# Altium PCB LAY-94611_B.PcbDoc (part 3 of 16) (continued)
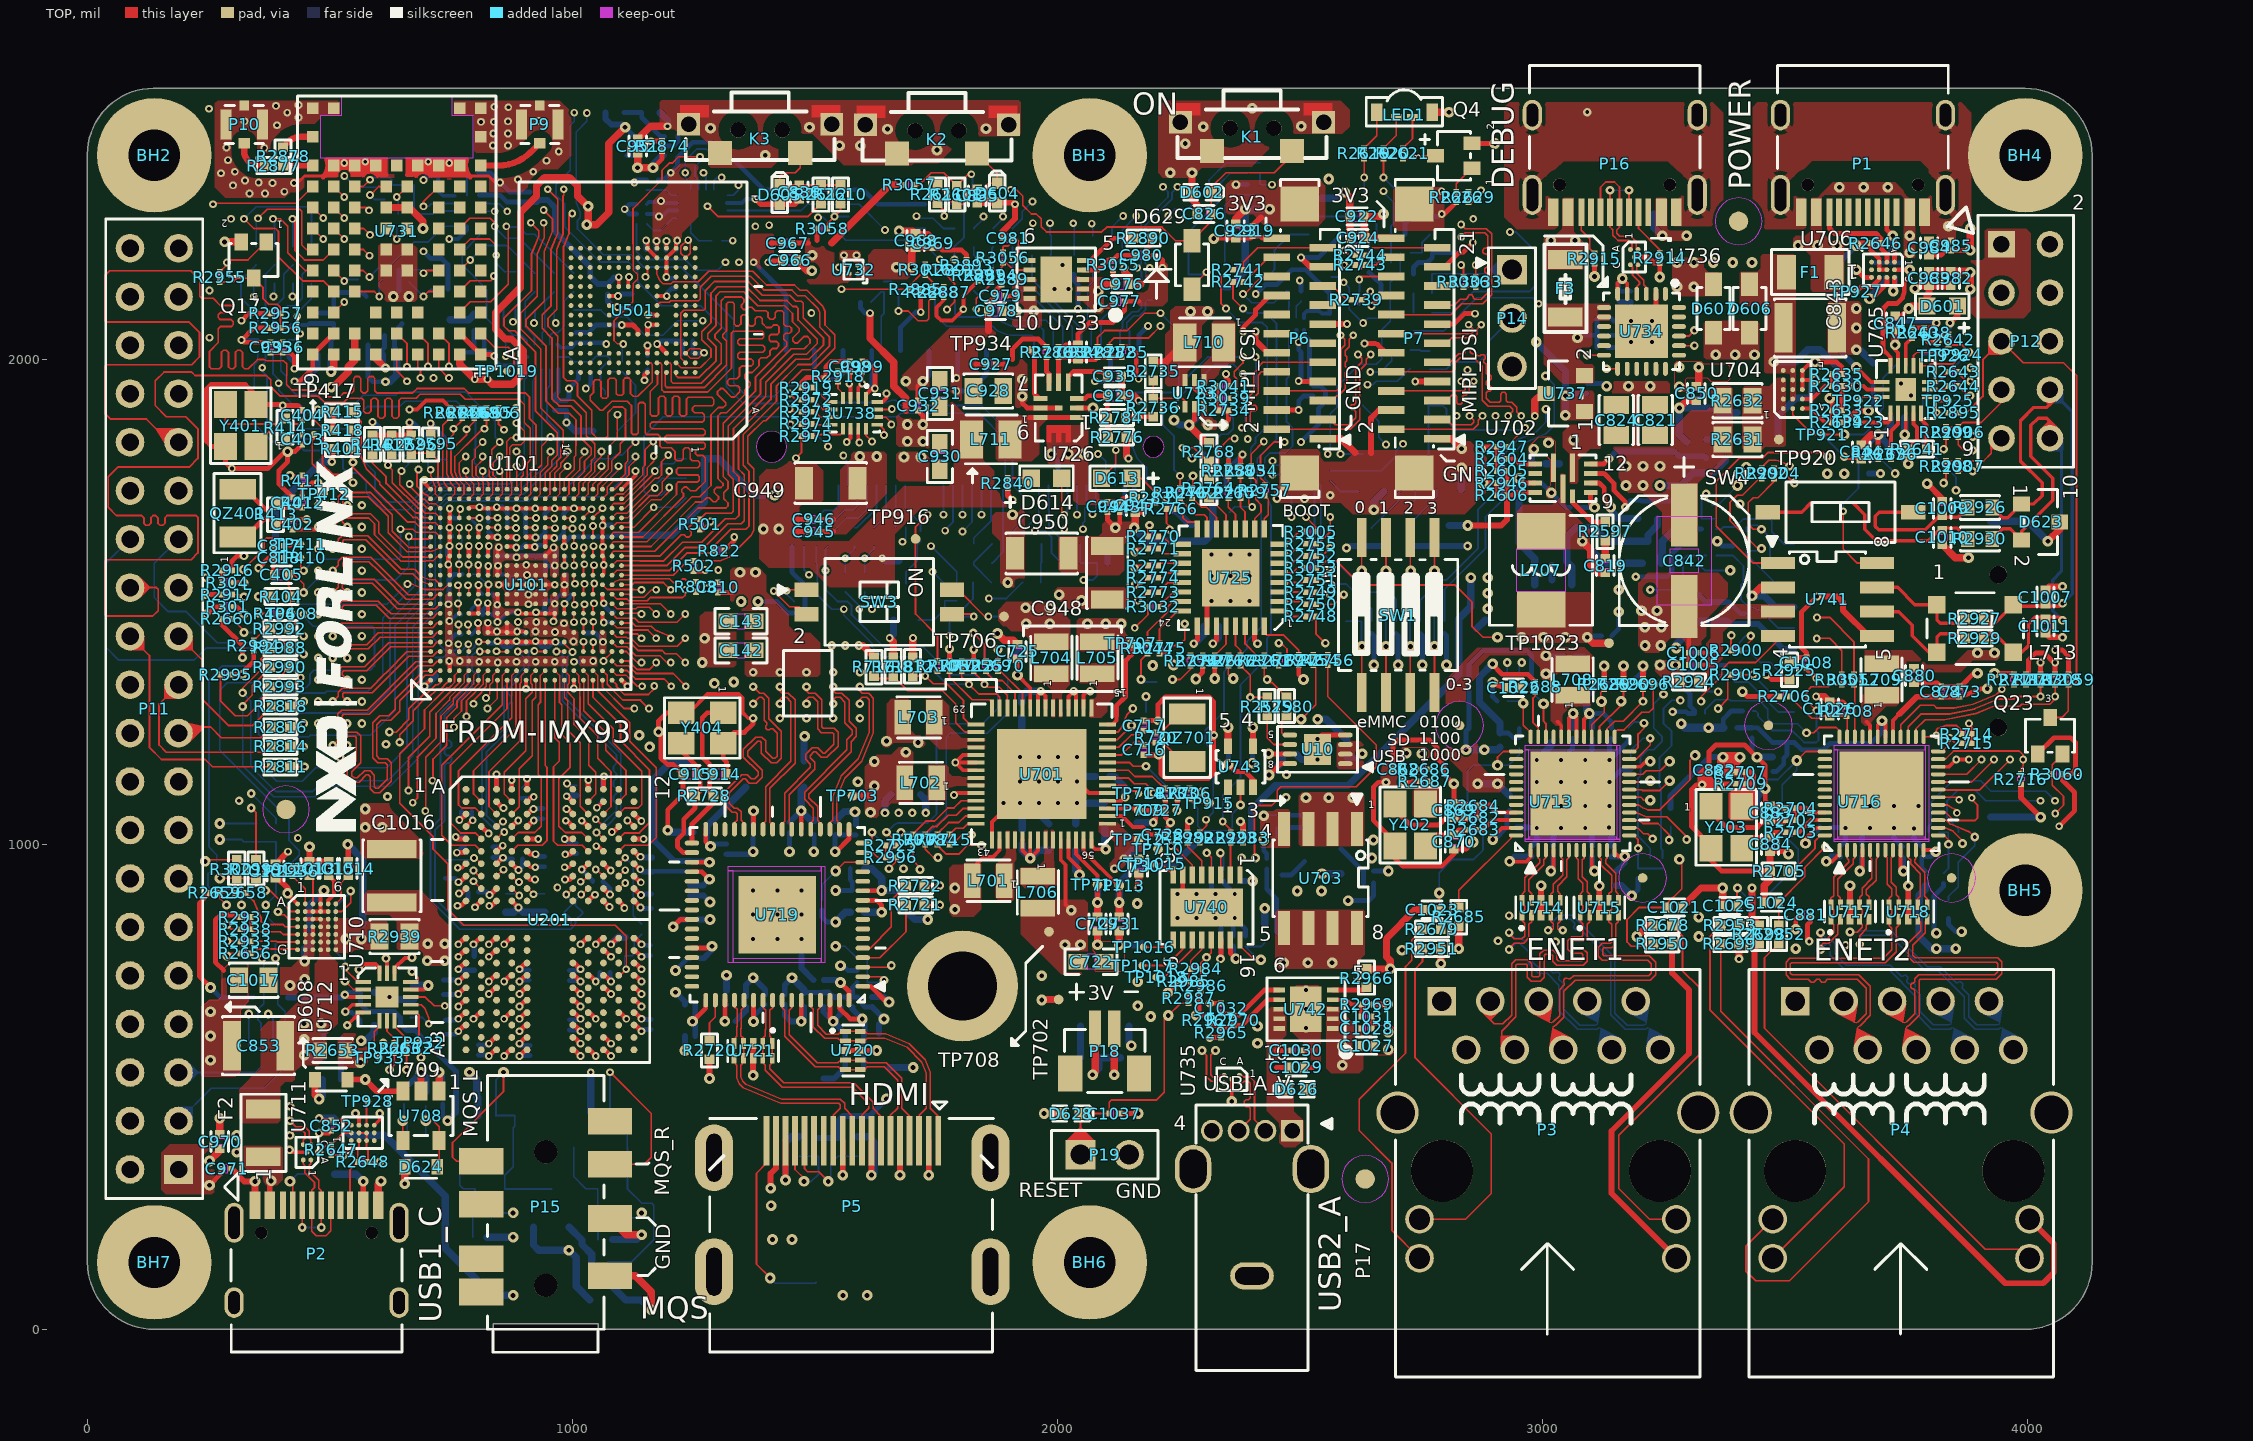
[diagram p0: TOP view]
## Part data (continued)
C948 C949 C950: library part CAP_NP, "1206,100uF,6.3V,+/-20%,X5R", Package Size=1210, Tolerance=20%, Voltage=16V, CAD_APPROVED=Yes, CLASS=DISCRETE, FPLIST=CC1210,1210_CC, Height=2.8MM, MFG_NAME01=SAMSUNG, MFG_PN01=CL31A107MQHNNNE, PCB Footprint=C1206, RoHS=Yes
  C948: Part Reference=C948
  C949: Part Reference=C949
  C950: ASSY_OPT=DNP, Part Reference=C950
C956 C962: library part "CAP NP", "0201,1uF,10V,+/-20%,X5R", Dielectric=X5R, Manufacturer=FH(·ç»ª), Manufacturer PN=0402X104K6R3NT, Tolerance=¡À10%, Voltage=6.3V, Created by=JJJ, MFG_NAME01=SAMSUNG, MFG_PN01=CL03A105MP3NSNC, Part Type=Ò»°ãÓÃÆ¬×´ÌÕ´ÉµçÈÝ, PCB Footprint=C0201, Priority=A, RK PN=902004347
  C956: Part Reference=C956
  C962: Part Reference=C962
C966 C968 C970 C972 C976 C978 C982 C984 C1027 C1029: library part CAP_NP, "0402,10uF,6.3V,+/-20%,X5R", Package Size=0603, Package Type=SMD, Temp_Range="-55¡ãC ~ 85¡ãC", Tolerance=20%, Voltage=6.3V, CAD_APPROVED=Yes, CLASS=DISCRETE, FPLIST=CC0603_OV,CC0603,0603_CC_NSP, Height=1MM, LEAD_FREE=YES, MFG_NAME01=FENGHUA, MFG_PN01=0402X106M6R3NT, PCB Footprint=C0402, RoHS=Yes
  C966: Part Reference=C966
  C968: Part Reference=C968
  C970: Part Reference=C970
  C972: Part Reference=C972
  C976: Part Reference=C976
  C978: Part Reference=C978
  C982: Part Reference=C982
  C984: Part Reference=C984
  C1027: Part Reference=C1027
  C1029: Part Reference=C1029
C969 C1031 C1032: library part CAP_NP, "0201,100nF,25V,+/-10%,X5R", Rated Voltage=50V, Temp Range="-55C to +125C", Tolerance=10%, Voltage=35V, CAD_APPROVED=Yes, CLASS=DISCRETE, EN=102-1-02300, FPLIST=CC0402_25,CC0402_HD,0402_CC,capc0402_l, Height="0.6 MM", MFG_NAME01=FENGHUA, MFG_PN01=0201X104K250NT, PCB Footprint=C0201, RoHS=Yes, TOL=10%
  C969: Part Reference=C969
  C1031: Part Reference=C1031
  C1032: Part Reference=C1032
C979 C980 C981 C1030: library part CAP_NP, "0201,100nF,25V,+/-10%,X5R", Rated Voltage=50V, Temp Range="-55C to +125C", Tolerance=10%, Voltage=25V, CAD_APPROVED=Yes, CLASS=DISCRETE, EN=102-1-02300, FPLIST=CC0402_25,CC0402_HD,0402_CC,capc0402_l, Height="0.6 MM", MFG_NAME01=FENGHUA, MFG_PN01=0201X104K250NT, PCB Footprint=C0201, RoHS=Yes, TOL=10%
  C979: Part Reference=C979
  C980: Part Reference=C980
  C981: Part Reference=C981
  C1030: Part Reference=C1030
C983: library part CAP_NP, "0402,100nF,50V,+/-10%,X5R", Tolerance=10%, Voltage=25V, CAD_APPROVED=Yes, CLASS=DISCRETE, FPLIST=CC0402_25,CC0402_HD,0402_CC,capc0402_l, Height=0.55MM, MFG_NAME01=FENGHUA, MFG_PN01=0402X104K500NT, Part Reference=C983, PCB Footprint=C0402, RoHS=Yes
C988 C991: library part CAP_NP, "0805,22uF,25V,+/-20%,X5R", Tolerance=20%, ASSY_OPT=DNP, CAD_APPROVED=Yes, CLASS=DISCRETE, FPLIST=CC0805_OV,CC0805,0805_CC, Height=1.45MM, MFG_NAME01=MURATA, MFG_PN01=GRM21BR61E226ME44L, PCB Footprint=C0805, RoHS=Yes
  C988: Part Reference=C988
  C991: Part Reference=C991
C989 C992: library part CAP_NP, "1206,100uF,6.3V,+/-20%,X5R", Tolerance=20%, Voltage=10V, CAD_APPROVED=Yes, CLASS=DISCRETE, FPLIST=CC1206_OV,CC1206,1206_CC, Height=1.9MM, MFG_NAME01=SAMSUNG, MFG_PN01=CL31A107MQHNNNE, PCB Footprint=C1206, RoHS=Yes
  C989: Part Reference=C989
  C992: Part Reference=C992
C990 C993: library part CAP_NP, "0402,33nF,50V,+/-10%,X7R", Package Size=0402, Package Type=SMD, Tolerance=10%, Voltage=50V, CAD_APPROVED=Yes, CLASS=DISCRETE, FPLIST=CC0402_25,CC0402_HD,0402_CC,capc0402_l, Height=0.55MM, MFG_NAME01=FENGHUA, MFG_PN01=0402B333K500NT, PCB Footprint=C0402, RoHS=Yes
  C990: Part Reference=C990
  C993: Part Reference=C993
C994: library part C0603,4.7uF, "0402,4.7uF,10V,+/-10%,X5R", Voltage=10V, MFG_NAME01=SAMSUNG, MFG_PN01=CL05A475KP5NRNC, Part Reference=C994, PCB Footprint=C0402, serial number=1110203056
C995 C996 C998 C999 C1034 C1035 C1036 C1037: library part C0402,100nF,16V, "0201,100nF,25V,+/-10%,X5R", Voltage=25V, MFG_NAME01=FENGHUA, MFG_PN01=0201X104K250NT, PCB Footprint=C0201, serial number=1110202001
  C995: Part Reference=C995
  C996: Part Reference=C996
  C998: Part Reference=C998
  C999: Part Reference=C999
  C1034: Part Reference=C1034
  C1035: Part Reference=C1035
  C1036: Part Reference=C1036
  C1037: Part Reference=C1037
C997: library part C0402,1uF,16V, "0201,1uF,10V,+/-20%,X5R", Voltage=10V, MFG_NAME01=SAMSUNG, MFG_PN01=CL03A105MP3NSNC, Part Reference=C997, PCB Footprint=C0201, serial number=1110202021
C1000: library part CAP_NP, "0201,2.2uf,6.3V,+/-20%,X5R", Package Size=0402, Tolerance=10%, Voltage=6.3V, CAD_APPROVED=Yes, CLASS=DISCRETE, FPLIST=CC0402_25,CC0402_HD,0402_CC,capc0402_l, Height="0.55 MM", MFG_NAME01=SAMSUNG, MFG_PN01=CL03A225MQ3CRNC, Part Reference=C1000, PCB Footprint=C0201, RoHS=Yes
C1001: library part CAP_NP, "0201,1uF,10V,+/-20%,X5R", Package Size="0603 (1608 Metric)", Package Type="Surface Mount, MLCC", Rated Voltage=25V, Temp Range="-55C to +125C", Tolerance=10%, CAD_APPROVED=Yes, CLASS=DISCRETE, FPLIST=CC0603_OV,CC0603,0603_CC, Height=0.9MM, MFG_NAME01=SAMSUNG, MFG_PN01=CL03A105MP3NSNC, Part Reference=C1001, PCB Footprint=C0201, RoHS=Yes
C1007 C1011: library part CAP_NP, "0402,56pF,50V,+/-5%,COG", Tolerance=5%, Voltage=50V, CAD_APPROVED=Yes, CLASS=DISCRETE, FPLIST=CC0402_25,CC0402_HD,0402_CC, Height="0.55 MM", MFG_NAME01=FENGHUA, MFG_PN01=0402CG560J500NT, PCB Footprint=C0402, RoHS=Yes
  C1007: Part Reference=C1007
  C1011: Part Reference=C1011
C1009 C1010: library part CAP_NP, "0402,56pF,50V,+/-5%,COG", Package Size=0402, Temp Range="-55C to +125C", Tolerance=5%, Voltage=50V, CAD_APPROVED=Yes, CLASS=DISCRETE, FPLIST=CC0402_25,CC0402_HD,0402_CC,capc0402_l, Height="0.55 MM", MFG_NAME01=FENGHUA, MFG_PN01=0402CG560J500NT, PCB Footprint=C0402, RoHS=Yes
  C1009: Part Reference=C1009
  C1010: Part Reference=C1010
C1013: library part CAP_NP, "0402,1nF,50V,+/-10%,X7R", Tolerance=10%, Voltage=50V, CAD_APPROVED=Yes, CLASS=DISCRETE, FPLIST=CC0402_25,CC0402_HD,0402_CC,capc0402_l, Height=0.55MM, MFG_NAME01=FENGHUA, MFG_PN01=0402B102K500NT, Part Reference=C1013, PCB Footprint=C0402, RoHS=Yes
C1014: library part CAP_NP, "0402,10nF,50V,+/-10%,X7R", Tolerance=10%, Voltage=50V, CAD_APPROVED=Yes, CLASS=DISCRETE, FPLIST=CC0402_25,CC0402_HD,0402_CC,capc0402_l, Height=0.55MM, MFG_NAME01=FENGHUA, MFG_PN01=0402CG103J500NT, Part Reference=C1014, PCB Footprint=C0402, RoHS=Yes
C1015: library part CAP_NP, "0402,4.7uF,10V,+/-10%,X5R", Tolerance=10%, Voltage=16V, CAD_APPROVED=Yes, CLASS=DISCRETE, FPLIST=CC0402_25,CC0402_HD,0402_CC,capc0402_l, Height=0.55MM, MFG_NAME01=SAMSUNG, MFG_PN01=CL05A475KP5NRNC, Part Reference=C1015, PCB Footprint=C0402, RoHS=Yes
C1016: library part CAP_NP, "1210,10uF,50V,+/-10%,X7R", Tolerance=10%, Voltage=50V, CAD_APPROVED=Yes, CLASS=DISCRETE, FPLIST=CC1210,1210_CC, Height=2.7MM, MFG_NAME01=SAMSUNG, MFG_PN01=CL32B106KBJNNNE, Part Reference=C1016, PCB Footprint=C1210, RoHS=Yes
C1017: library part CAP_NP, "0805,47uF,10V,+/-20%,X5R", Tolerance=10%, Voltage=10V, CAD_APPROVED=Yes, CLASS=DISCRETE, FPLIST=CC1210,1210_CC, Height=2.7MM, MFG_NAME01=MURATA, MFG_PN01=GRM21BR61A476ME15L, Part Reference=C1017, PCB Footprint=C0805, RoHS=Yes
C1021 C1023 C1024 C1025: library part CAP_NP, "0402,470pF,50V,+/-5%,NPO", Tolerance=20%, Voltage=50V, CAD_APPROVED=Yes, CLASS=DISCRETE, FPLIST=CC0402_25,CC0402_HD,0402_CC, Height="0.65 MM", MFG_NAME01=FENGHUA, MFG_PN01=0402CG471J500NT, PCB Footprint=C0402, RoHS=Yes
  C1021: Part Reference=C1021
  C1023: Part Reference=C1023
  C1024: Part Reference=C1024
  C1025: Part Reference=C1025
C1022 C1026: library part CAP_NP, "0402,18pF,50V,+/-5%,NPO", Tolerance=20%, Voltage=6.3V, CAD_APPROVED=Yes, CLASS=DISCRETE, FPLIST=CC0402_25,CC0402_HD,0402_CC, Height="0.65 MM", MFG_NAME01=FENGHUA, MFG_PN01=0402B103K500NT, PCB Footprint=C0402, RoHS=Yes
  C1022: Part Reference=C1022
  C1026: Part Reference=C1026
C1033: library part CAP_NP, "0805,47uF,10V,+/-20%,X5R", Package Size="0603 (1608 Metric)", Package Type="Surface Mount, MLCC", Rated Voltage=10V, Temp Range="-55C to +125C", Tolerance=10%, CAD_APPROVED=Yes, CLASS=DISCRETE, FPLIST=CC0603_OV,CC0603,0603_CC, Height=0.9MM, MFG_NAME01=MURATA, MFG_PN01=GRM21BR61A476ME15L, Part Reference=C1033, PCB Footprint=C0805, RoHS=Yes
C1042: library part CAP_NP, "0201,10nF,25V,+/-10%,X7R", Tolerance=10%, Voltage=50V, CAD_APPROVED=Yes, CLASS=DISCRETE, FPLIST=CC0402_25,CC0402_HD,0402_CC, Height="0.74 MM", MFG_NAME01=FENGHUA, MFG_PN01=0201B103K250NT, Part Reference=C1042, PCB Footprint=C0201, RoHS=Yes
C1044 C1047: library part CAP_NP, "0201,100nF,25V,+/-10%,X5R", Tolerance=10%, Voltage=50V, CAD_APPROVED=Yes, CLASS=DISCRETE, FPLIST=CC0402_25,CC0402_HD,0402_CC, Height="0.74 MM", MFG_NAME01=FENGHUA, MFG_PN01=0201X104K250NT, PCB Footprint=C0201, RoHS=Yes
  C1044: Part Reference=C1044
  C1047: Part Reference=C1047
C1048 C1049: library part CAP_NP, "1206,1nF,2KV,+/-10%", Tolerance=20%, Voltage=2KV, CAD_APPROVED=Yes, CLASS=DISCRETE, FPLIST=CC0402_25,CC0402_HD,0402_CC, Height="0.65 MM", MFG_NAME01=FENGHUA, MFG_PN01=1206B102K202NT, PCB Footprint=C1206, RoHS=Yes
  C1048: Part Reference=C1048
  C1049: Part Reference=C1049
D601: library part LED, "LED RED SGL 25MA SMT 0603", Voltage=2V, CAD_APPROVED=Yes, CLASS=IC, Height="0.8 MM", MFG_NAME01=Harvatek, MFG_PN01=HQ19-2132SURC62(Y), Part Reference=D601, PCB Footprint=led0603, RoHS=Yes
D603 D608: library part ZDIODE, "BZX585-B3V3,3.3V,SOD523", Temp Range="-65¡ãC to +150¡ãC", CAD_APPROVED=Yes, CLASS=IC, Height=0.65MM, MFG_NAME01=JSCJ, MFG_PN01=BZX585-B3V3, PCB Footprint=sod523, RoHS=Yes, Temp_Range="-65¡ãC to +150¡ãC"
  D603: Part Reference=D603
  D608: Part Reference=D608
D606 D607 D627 D629: library part DIODE, "BAT54HT1G,SOD323", CAD_APPROVED=Yes, CLASS=IC, Height=1.15MM, MFG_NAME01=JSCJ, MFG_PN01=BAT54HT1G, PCB Footprint=SOD323
  D606: Part Reference=D606
  D607: Part Reference=D607
  D627: Part Reference=D627
  D629: Part Reference=D629
D610 D611 D612: "ESD5341N-2/TR", MFG_NAME01=WILLSEMI, MFG_PN01=ESD5341N-2/TR, PCB Footprint=0402TVS
  D610: Part Reference=D610
  D611: Part Reference=D611
  D612: Part Reference=D612
D613: library part LED, "LED GRN SGL 25MA SMT 0603", Voltage=2V, CAD_APPROVED=Yes, CLASS=IC, Height="0.8 MM", MFG_NAME01=Harvatek, MFG_PN01=HQ19-2132UBGC82(Y), Part Reference=D613, PCB Footprint=led0603, RoHS=Yes
D614: library part LED, "LED BLUE SGL 20MA SMT 0603", Rated Voltage=2V, Temp Range="-40¡ãC to +85¡ãC", Voltage=2v, CAD_APPROVED=Yes, CLASS=IC, Height=0.28MM, MFG_NAME01=Harvatek, MFG_PN01="HQ19-2132UBC83 (Y)", Part Reference=D614, PCB Footprint=led0603, RoHS=Yes, Temp_Range="-40¡ãC to +85¡ãC"
D618 D621: library part BAV99W, "BAT54S,SOT-23-3", Rated Voltage=100V, CLASS=IC, MFG_NAME01=FDM, MFG_PN01=BAT54S, PCB Footprint=sot23_a
  D618: Part Reference=D618
  D621: Part Reference=D621
D623: library part ESD_DIODE_2LINE, "PSM712-LF-T7,SOT-23-3", Package Size="TO-236-3, SC-59, SOT-23-3", Rated Power=-, Rated Voltage=24V, CLASS=IC, Height=1.1MM, MFG_NAME01=UMW, MFG_PN01=PSM712-LF-T7, Part Reference=D623, PCB Footprint=sot23_a
D624: library part DIODE_SCHTKY, "RB521S-30C,SOD-523", CAD_APPROVED=Yes, CLASS=IC, Height=0.7MM, MFG_NAME01=onsemi, MFG_PN01=RB521S-30C, Part Reference=D624, PCB Footprint=SOD523, RoHS=Yes
F1 F2: library part FUSE, "Fuse,1206,7A,32V", CAD_APPROVED=Yes, CLASS=DISCRETE, Height=0.8639MM, MFG_NAME01="JDT fuse", MFG_PN01=JFC1206-1700FS, PCB Footprint=fuse_3p4x1p8, RoHS=Yes
  F1: Part Reference=F1
  F2: Part Reference=F2
F3: "1206,0.5A/1A,13.2V", MFG_NAME01=BOURNS, MFG_PN01=MF-NSMF050, Part Reference=F3, PCB Footprint=F1206
F5: library part FUSE_0.5A, "0603,0.04A/0.12A,15V,ASMD0603-004", MFG_NAME01=SAMSUNG, MFG_PN01=CL05A225KP5NSNC, Part Reference=F5, PCB Footprint=F0603
FB16: library part FB0402,120ohm,1.3A, "0603,1000Ohm@100MHz,800mA", electric current=1.3A, MFG_NAME01=Sunlord, MFG_PN01=PZ1608D102-R80TF, Part Reference=FB16, PCB Footprint=FB0603, serial number=1110304038
FB17 FB18 FB19 FB20 FB21 FB22: library part FB0402,120ohm,1.3A, "0402,120Ohm@100MHz,2A", electric current=1.3A, MFG_NAME01=Murata, MFG_PN01=BLM15PX121SN1D, PCB Footprint=FB0402, serial number=1110304038
  FB17: Part Reference=FB17
  FB18: Part Reference=FB18
  FB19: Part Reference=FB19
  FB20: Part Reference=FB20
  FB21: Part Reference=FB21
  FB22: Part Reference=FB22
FB23 FB24 FB25 FB26 FB27 FB28 FB29 FB30 FB31: library part FB0402,120ohm,1.3A, "0603,120Ohm@100MHZ,3A", electric current=3.5A, MFG_NAME01=Sunlord, MFG_PN01=UPZ1608E121-3R0TF, PCB Footprint=FB0603, serial number=1110304038
  FB23: Part Reference=FB23
  FB24: Part Reference=FB24
  FB25: Part Reference=FB25
  FB26: Part Reference=FB26
  FB27: Part Reference=FB27
  FB28: Part Reference=FB28
  FB29: Part Reference=FB29
  FB30: Part Reference=FB30
  FB31: Part Reference=FB31
K1 K2 K3: library part 1188E_1K, "3x6mm,KEY", MFG_NAME01=HONGSHENGLONG, MFG_PN01=KEY-3x6mm, PCB Footprint=KEY_3_5X7
  K1: Part Reference=K1
  K2: Part Reference=K2
  K3: Part Reference=K3
L701 L702 L703 L704: library part INDUCTOR, "0.47uH+/-20%,2.0*1.6*1.2,3.4A/3.95A", Temp Range="-40¡ãC to +125¡ãC", Tolerance=20%, CAD_APPROVED=Yes, CLASS=DISCRETE, Height=1.2MM, MFG_NAME01=Sunlord, MFG_PN01=WPN201612HR47MT, PART_TYPE=INDUCTOR\POWER, PCB Footprint=IND_2016A, RoHS=Yes, Temp_Range="-40¡ãC to +125¡ãC", TOL=20%
  L701: Part Reference=L701
  L702: Part Reference=L702
  L703: Part Reference=L703
  L704: Part Reference=L704
L705 L706: library part INDUCTOR, "0.47uH+/-20%,2.0*1.6*1.2,3.4A/3.95A", Package Size="2x1.6x1.2 mm", Temp Range="-40¡ãC to 125¡ãC", Tolerance=20%, CAD_APPROVED=Yes, CLASS=DISCRETE, Height=1.2MM, MFG_NAME01=Sunlord, MFG_PN01=WPN201612HR47MT, PART_TYPE=INDUCTOR\POWER, PCB Footprint=IND_2016A, RoHS=Yes, Temp_Range="-40¡ãC to 125¡ãC"
  L705: Part Reference=L705
  L706: Part Reference=L706
L707: library part "INDUCTORS OF FERRITE", "1.5uH+/-20%,5.2*5.4*1.6,7.5A/8A", Manufacturer=Vishay, Tolerance=20%, Created by=JJJ, IRMS=10.5A, Isat=9.6A, MFG_NAME01=Sunlord, MFG_PN01=MWSA0518S-1R5MT, Option=>8A, Part Reference=L707, Part Type=IND, PCB Footprint=IND_0518, Priority=A
L708 L709: library part INDUCTOR-WPN201612HR47MT, "2.2uH,2*1.6*1mm,2.15A", electric current=1.45A/1.9A, MFG_NAME01=Sunlord, MFG_PN01=WPN201610H2R2MT, PCB Footprint=IND_2016A, serial number=1110301115
  L708: Part Reference=L708
  L709: Part Reference=L709
L710 L712: library part "INDUCTORS OF FERRITE", "1uH ,2.5*2.0*1.2mm, 3.6A", DC Resistor=0.065ohm, Manufacturer=TDK, Manufacturer PN=VLS252010HBX-1R0M, Resonace frequency=1MHz, Tolerance=20%, Created by=JJJ, IRMS=2.55A, Isat=3.6A, MFG_NAME01=Sunlord, MFG_PN01=WPN252012H1R0MT, Part Type=IND, PCB Footprint=ind_sph2520, Priority=A, RK PN=VLS252010HBX-1R0M
  L710: Part Reference=L710
  L712: Part Reference=L712
L711: library part INDUCTOR, "0.47uh, 2.5*2.0*1.0mm ,4.4A", Temp_Range="-40¡ãC to +125¡ãC", Tolerance=20%, CAD_APPROVED=Yes, CLASS=DISCRETE, Height=1.2MM, MFG_NAME01=Sunlord, MFG_PN01=WPN252012ER47MT, Part Reference=L711, PART_TYPE=INDUCTOR\POWER, PCB Footprint=ind_sph2520, RoHS=Yes, TOL=20%
L713: library part DLW43, "IND CHK 51uH@1MHZ 230mA -30%/+50% 1812", CLASS=DISCRETE, MFG_NAME01=MURATA, MFG_PN01=DLW43SH510XK2, Part Reference=L713, PCB Footprint=IND_DLW43
LED1: "SMD,1.5*3mm,Tri color LED, common anode, side mount, colorless transparent lens,12-23C/R6GHBHC-C30/2C", MFG_NAME01=EVERLIGHT, MFG_PN01=12-23C/R6GHBHC-C30/2C, Part Reference=LED1, PCB Footprint=smd_rgb_1_5x3
MG1: library part CMP-00053-1, "PCB Graphic Symbol - Do Not Dispose Of In Garbage (Environmental Symbol)"
P1 P2 P16: "USB616FC-C2014216,USB2.0,type-c", MFG_NAME01=ATOM, MFG_PN01=USB616FC-C2014216, PCB Footprint=TypeC_16P_S
  P1: Part Reference=P1
  P2: Part Reference=P2
  P16: Part Reference=P16
P3: library part FC-H021LNL_2, "HR851178A,RJ45,1000M", MFG_NAME01=Hanrun, MFG_PN01=HR851178A, Part Reference=P3, PCB Footprint=RJ45-Gigabit
P4: library part FC-H021LNL_0, "HR851178A,RJ45,1000M", MFG_NAME01=Hanrun, MFG_PN01=HR851178A, Part Reference=P4, PCB Footprint=RJ45-Gigabit
P5: "HDMI-A", Manufacturer=Íú¿Æ´ï, Manufacturer Part Number=HDMI_01A, Created by=JJJ, MFG_NAME01=ANUOCONN, MFG_PN01=HDMI-A, Part Reference=P5, Part Type="HDMI Jack", PCB Footprint=HDMIA19_HDMI_01A, Priority=A, RK PN=908,000,005
P6 P7: "22P,0.5mm,A", MFG_NAME01=SHENGWEI, MFG_PN01=22P-0.5mm-A, PCB Footprint=fpc_22p_0_5
  P6: Part Reference=P6
  P7: Part Reference=P7
P8: library part CON_67_FEMALE_RA_B, "AP-APC1037-1,M.2,0.5PITCH,5.5mm,Support height of 3.9mm,KEY-E", Package Size="22.0 x 7.3 x 6.85 mm", Package Type=SMD/SMT, 3D_Mechanical_Footprint_File=ftp://fcl.am.freescale.net/ALLEGRO/step/con67_0p5_type-e_22x7p3_ra_270h.STEP, CAD_APPROVED=Yes, CLASS=IO, Height=6.85MM, MFG_NAME01=LOTES, MFG_PN01=AP-APC1037-1, Part Reference=P8, PCB Footprint=con_75_0p5_22x9_ra1, RoHS=Yes
P9 P10: "IPEX transposon, 4th generation", ASSY_OPT=DNP, MFG_NAME01=IPES, MFG_PN01=IPEX-4, PCB Footprint=IPEX_4
  P9: Part Reference=P9
  P10: Part Reference=P10
P11: library part CONN_HDR_19, "Double row, 2 * 20P, 2.54mm, S, gold-plated, green", Temp Range="-55¡ãC ~ 125¡ãC", 3D_Mechanical_Footprint_File=ftp://fcl.am.freescale.net/ALLEGRO/step/hdr220_tsm_a_sm.step, CAD_APPROVED=Yes, CLASS=IO, Height=10.03MM, MFG_NAME01=Jiln, MFG_PN01=2*20P-2.54mm-S, Part Reference=P11, PCB Footprint=hdr220_tsm_a_sm, RoHS=Yes
P12: library part Header-5x2-2_0.54, "Double row,2*5P,2.54mm,S", MFG_NAME01=Jiln, MFG_PN01=2*5P-2.54mm-S, Part Reference=P12, PCB Footprint=Header5x2_25
P13: library part CONN_MICRO_SDCARD, "TFP09-2-12B", Package Type=SMT, CAD_APPROVED=Yes, CLASS=IO, Height="2.05 MM", MFG_NAME01=TIANMAI, MFG_PN01=TFP09-2-12B, Part Reference=P13, PCB Footprint=con9_sdcard_1p1mm, RoHS=Yes
P14: library part Header-5x1-2_0.54, "Single row,3P,2.54mm,S", MFG_NAME01=Jiln, MFG_PN01=3P-2.54mm-S, Part Reference=P14, PCB Footprint=Header_2_54_3p
P15: "PJ3930-8P,3.5mm,Level 4", MFG_NAME01=HONGSHENGLONG, MFG_PN01=PJ3930-8P, Part Reference=P15, PCB Footprint=PJ3930_8P
P17: "USB2.0,Type A, female seat, single-layer, vertical lying, short body, length 14mm", MFG_NAME01=anuoconn, MFG_PN01=USB2-A-14mm, Part Reference=P17, PCB Footprint=USB_A_V
P18: "A1001-02AB,Tin plating, busbar, 2P, 1mm spacing, vertical mounting", MFG_NAME01=HONGYI, MFG_PN01=A1001-02AB, Part Reference=P18, PCB Footprint=sh_2p
P19: "XH,2P,2.54mm,S", MFG_NAME01=LHE, MFG_PN01=XH-2P-2.54mm-S, Part Reference=P19, PCB Footprint=Header_2x1_254
Q1 Q2 Q3 Q4 Q5 Q6 Q7 Q8 Q9 Q15 Q16 Q17 Q18 Q22 Q23: library part NX3008NBKW_SOT323, CAD_APPROVED=Yes, CLASS=IC, Height=1.1MM, MFG_NAME01=LRC, MFG_PN01=L2SK3018WT1G, PCB Footprint=sc70_3, RoHS=Yes
  Q1: Part Reference=Q1
  Q2: Part Reference=Q2
  Q3: Part Reference=Q3
  Q4: Part Reference=Q4
  Q5: Part Reference=Q5
  Q6: Part Reference=Q6
  Q7: Part Reference=Q7
  Q8: Part Reference=Q8
  Q9: Part Reference=Q9
  Q15: Part Reference=Q15
  Q16: Part Reference=Q16
  Q17: Part Reference=Q17
  Q18: Part Reference=Q18
  Q22: Part Reference=Q22
  Q23: Part Reference=Q23
Q21: "CJ2101,SOT-323,PMOS", MFG_NAME01=JSCJ, MFG_PN01=CJ2101, Part Reference=Q21, PCB Footprint=sc70_3
QZ401 QZ701: library part XTAL, "Crystal,32.768KHZ,3.2*1.5mm,+/-20ppm,12.5PF,S999-311,-40~85+C", CAD_APPROVED=Yes, CLASS=IC, Height=0.9MM, MFG_NAME01="Dongxin Hengke", MFG_PN01=KK32768g33C, PCB Footprint=XTAL2-3P2X1P5-SM, RoHS=Yes
  QZ401: Part Reference=QZ401
  QZ701: Part Reference=QZ701
R111 R702 R704 R709: library part RES, "0603,0Ohm,+/-5%", Temp Range="¨C55 ¡ãC to +155 ¡ãC", CAD_APPROVED=Yes, CLASS=DISCRETE, FPLIST=RC0603_OV,RC0603,R603-X2,0603_CC,IND_0603HP_NSP,CC0603_OV_NSP, Height=0.6MM, MFG_NAME01=FENGHUA, MFG_PN01=RS-03000JT, PCB Footprint=R0603, RoHS=Yes
  R111: ASSY_OPT=DNP, Part Reference=R111
  R702: ASSY_OPT=DNP, Part Reference=R702
  R704: Part Reference=R704
  R709: Part Reference=R709
R145 R501 R502 R2622 R2628 R2636 R2638 R2642 R2659 R2660 R2661 R2680 R2681 R2700 R2701 R2745 R2746 R2747 R2758 R2783 R2859 R2862 R2873 R2887 R2891 R2897 R2928 R2932 R2954 R2957 R2958 R2967 R2969 R3031 R3055 R3057 R3058 R3059 R3060: library part RES, "0201,10K,+/-5%", Tolerance=5%, CAD_APPROVED=Yes, CLASS=DISCRETE, MFG_NAME01=FENGHUA, MFG_PN01=RC-01W103JT, PCB Footprint=R0201, RoHS=Yes
  R145: FPLIST=RC0402_25,RC0402_HD,0402_CC, Height="0.4 MM", Part Reference=R145
  R501: ASSY_OPT=DNP, FPLIST=RC0402_25,RC0402_HD,0402_CC, Height="0.4 MM", Part Reference=R501
  R502: ASSY_OPT=DNP, FPLIST=RC0402_25,RC0402_HD,0402_CC, Height="0.4 MM", Part Reference=R502
  R2622: FPLIST=RC0402_25,RC0402_HD,0402_CC, Height="0.4 MM", Part Reference=R2622
  R2628: ASSY_OPT=DNP, FPLIST=RC0402_25,RC0402_HD,0402_CC, Height="0.4 MM", Part Reference=R2628
  R2636: FPLIST=RC0402_25,RC0402_HD,0402_CC, Height="0.4 MM", Part Reference=R2636
  R2638: FPLIST=RC0402_25,RC0402_HD,0402_CC, Height="0.4 MM", Part Reference=R2638
  R2642: FPLIST=RC0402_25,RC0402_HD,0402_CC, Height="0.4 MM", Part Reference=R2642
  R2659: FPLIST=RC0402_25,RC0402_HD,0402_CC, Height="0.4 MM", Part Reference=R2659
  R2660: ASSY_OPT=DNP, FPLIST=RC0402_25,RC0402_HD,RC0402_X2,0402_CC,CAPC0402_L, Height=0.41mm, Part Reference=R2660, TOL=5%
  R2661: FPLIST=RC0402_25,RC0402_HD,0402_CC, Height="0.4 MM", Part Reference=R2661
  R2680: FPLIST=RC0402_25,RC0402_HD,RC0402_X2,0402_CC,CAPC0402_L, Height=0.41mm, Part Reference=R2680, TOL=5%
  R2681: FPLIST=RC0402_25,RC0402_HD,RC0402_X2,0402_CC,CAPC0402_L, Height=0.41mm, Part Reference=R2681, TOL=5%
  R2700: FPLIST=RC0402_25,RC0402_HD,RC0402_X2,0402_CC,CAPC0402_L, Height=0.41mm, Part Reference=R2700, TOL=5%
  R2701: FPLIST=RC0402_25,RC0402_HD,RC0402_X2,0402_CC,CAPC0402_L, Height=0.41mm, Part Reference=R2701, TOL=5%
  R2745: FPLIST=RC0402_25,RC0402_HD,0402_CC, Height="0.4 MM", Part Reference=R2745
  R2746: ASSY_OPT=DNP, FPLIST=RC0402_25,RC0402_HD,0402_CC, Height="0.4 MM", Part Reference=R2746
  R2747: ASSY_OPT=DNP, FPLIST=RC0402_25,RC0402_HD,0402_CC, Height="0.4 MM", Part Reference=R2747
  R2758: FPLIST=RC0402_25,RC0402_HD,0402_CC, Height="0.4 MM", Part Reference=R2758
  R2783: FPLIST=RC0402_25,RC0402_HD,0402_CC, Height="0.4 MM", Part Reference=R2783
  R2859: FPLIST=RC0402_25,RC0402_HD,0402_CC, Height="0.4 MM", Part Reference=R2859
  R2862: FPLIST=RC0402_25,RC0402_HD,0402_CC, Height="0.4 MM", Part Reference=R2862
  R2873: FPLIST=RC0402_25,RC0402_HD,0402_CC, Height="0.4 MM", Part Reference=R2873
  R2887: FPLIST=RC0402_25,RC0402_HD,0402_CC, Height="0.4 MM", Part Reference=R2887
  R2891: FPLIST=RC0402_25,RC0402_HD,0402_CC, Height="0.4 MM", Part Reference=R2891
  R2897: FPLIST=RC0402_25,RC0402_HD,0402_CC, Height="0.4 MM", Part Reference=R2897
  R2928: FPLIST=RC0402_25,RC0402_HD,0402_CC, Height="0.4 MM", Part Reference=R2928
  R2932: ASSY_OPT=DNP, FPLIST=RC0402_25,RC0402_HD,0402_CC, Height="0.4 MM", Part Reference=R2932
  R2954: FPLIST=RC0402_25,RC0402_HD,0402_CC, Height="0.4 MM", Part Reference=R2954
  R2957: FPLIST=RC0402_25,RC0402_HD,0402_CC, Height="0.4 MM", Part Reference=R2957
  R2958: FPLIST=RC0402_25,RC0402_HD,0402_CC, Height="0.4 MM", Part Reference=R2958
  R2967: FPLIST=RC0402_25,RC0402_HD,0402_CC, Height="0.4 MM", Part Reference=R2967
  R2969: FPLIST=RC0402_25,RC0402_HD,0402_CC, Height="0.4 MM", Part Reference=R2969
  R3031: FPLIST=RC0402_25,RC0402_HD,0402_CC, Height="0.4 MM", Part Reference=R3031
  R3055: FPLIST=RC0402_25,RC0402_HD,0402_CC, Height="0.4 MM", Part Reference=R3055
  R3057: FPLIST=RC0402_25,RC0402_HD,0402_CC, Height="0.4 MM", Part Reference=R3057
  R3058: FPLIST=RC0402_25,RC0402_HD,0402_CC, Height="0.4 MM", Part Reference=R3058
  R3059: FPLIST=RC0402_25,RC0402_HD,0402_CC, Height="0.4 MM", Part Reference=R3059
  R3060: FPLIST=RC0402_25,RC0402_HD,0402_CC, Height="0.4 MM", Part Reference=R3060
R201 R207 R208 R310 R311 R403 R2641 R2822 R2823: library part RES, "0402,10K,+/-1%", Tolerance=5%, CAD_APPROVED=Yes, CLASS=DISCRETE, FPLIST=RC0402_25,RC0402_HD,0402_CC, Height="0.4 MM", MFG_NAME01=FENGHUA, MFG_PN01=RC-02W1002FT, PCB Footprint=R0402, RoHS=Yes
  R201: Part Reference=R201
  R207: ASSY_OPT=DNP, Part Reference=R207
  R208: ASSY_OPT=DNP, Part Reference=R208
  R310: ASSY_OPT=DNP, Part Reference=R310
  R311: ASSY_OPT=DNP, Part Reference=R311
  R403: Part Reference=R403
  R2641: ASSY_OPT=DNP, Part Reference=R2641
  R2822: ASSY_OPT=DNP, Part Reference=R2822
  R2823: ASSY_OPT=DNP, Part Reference=R2823
R204: library part RES, "0402,120Ohm,+/-1%", Temp Range="-55¡ãC ~ 155¡ãC", Tolerance=1%, Voltage=1/10W, CAD_APPROVED=Yes, CLASS=DISCRETE, FPLIST=RC0402_25,RC0402_HD,0402_CC, Height=0.4MM, MFG_NAME01=FENGHUA, MFG_PN01=RC-02K1200FT, Part Reference=R204, PCB Footprint=R0402, RoHS=Yes
R205: library part RES, "0402,150Ohm,+/-5%", Tolerance=1%, ASSY_OPT=DNP, CAD_APPROVED=Yes, CLASS=DISCRETE, FPLIST=RC0402_25,RC0402_HD,0402_CC, Height=0.4MM, MFG_NAME01=FENGHUA, MFG_PN01=RC-02W151JT, Part Reference=R205, PCB Footprint=R0402, RoHS=Yes
R209 R2941: library part RES, "0201,240Ohm,+/-1%", Temp Range="-55¡ãC ~ 125¡ãC", Tolerance=1%, Voltage=25V, CAD_APPROVED=Yes, CLASS=DISCRETE, FPLIST=CC0201,CC0201_HD,0201_CC, Height=0.26MM, MFG_NAME01=FENGHUA, MFG_PN01=RC-01W2400FT, PCB Footprint=R0201, RoHS=Yes, Temp_Range="-55¡ãC ~ 125¡ãC"
  R209: Part Reference=R209
  R2941: Part Reference=R2941
R210 R716 R718 R723 R2579 R2580 R2664 R2666 R2667 R2668 R2670 R2671 R2672 R2673 R2788 R2789 R2790 R2791 R2792 R2793 R2794 R2795 R2796 R2797 R2798 R2799 R2800 R2801 R2802 R2803 R2804 R2805 R2806 R2807 R2808 R2809 R2810 R2811 R2812 R2813 R2814 R2815 R2816 R2817 R2818 R2819 R2820 R2821 R2824 R2825 R2826 R2827 R2828 R2829 R2830 R2832 R2833 R2834 R2835 R2836 R2837 R2838 R2839 R2841 R2851 R2853 R2854 R2855 R2860 R2866 R2867 R2870 R2871 R2924 R2925 R2988 R2990 R2992 R2993 R2998 R2999 R3000 R3001 R3017 R3018 R3028 R3037 R3038: library part RES, "0402,0Ohm,+/-1%", Tolerance=5%, Voltage=1/16W, CAD_APPROVED=Yes, CLASS=DISCRETE, FPLIST=RC0402_25,RC0402_HD,RC0402_X2,0402_CC, Height="0.45 MM", MFG_NAME01=FENGHUA, MFG_PN01=RC-02000FT, PCB Footprint=R0402, RoHS=Yes
  R210: Part Reference=R210
  R716: ASSY_OPT=DNP, Part Reference=R716
  R718: Part Reference=R718
  R723: Part Reference=R723
  R2579: Part Reference=R2579
  R2580: Part Reference=R2580
  R2664: ASSY_OPT=DNP, Part Reference=R2664
  R2666: ASSY_OPT=DNP, Part Reference=R2666
  R2667: ASSY_OPT=DNP, Part Reference=R2667
  R2668: Part Reference=R2668
  R2670: ASSY_OPT=DNP, Part Reference=R2670
  R2671: ASSY_OPT=DNP, Part Reference=R2671
  R2672: Part Reference=R2672
  R2673: ASSY_OPT=DNP, Part Reference=R2673
  R2788: ASSY_OPT=DNP, Part Reference=R2788
  R2789: ASSY_OPT=DNP, Part Reference=R2789
  R2790: ASSY_OPT=DNP, Part Reference=R2790
  R2791: ASSY_OPT=DNP, Part Reference=R2791
  R2792: ASSY_OPT=DNP, Part Reference=R2792
  R2793: ASSY_OPT=DNP, Part Reference=R2793
  R2794: ASSY_OPT=DNP, Part Reference=R2794
  R2795: ASSY_OPT=DNP, Part Reference=R2795
  R2796: Part Reference=R2796
  R2797: Part Reference=R2797
  R2798: Part Reference=R2798
  R2799: Part Reference=R2799
  R2800: Part Reference=R2800
  R2801: Part Reference=R2801
  R2802: Part Reference=R2802
  R2803: Part Reference=R2803
  R2804: Part Reference=R2804
  R2805: Part Reference=R2805
  R2806: ASSY_OPT=DNP, Part Reference=R2806
  R2807: ASSY_OPT=DNP, Part Reference=R2807
  R2808: Part Reference=R2808
  R2809: Part Reference=R2809
  R2810: Part Reference=R2810
  R2811: Part Reference=R2811
  R2812: Part Reference=R2812
  R2813: Part Reference=R2813
  R2814: Part Reference=R2814
  R2815: Part Reference=R2815
  R2816: Part Reference=R2816
  R2817: Part Reference=R2817
  R2818: Part Reference=R2818
  R2819: Part Reference=R2819
  R2820: Part Reference=R2820
  R2821: Part Reference=R2821
  R2824: ASSY_OPT=DNP, Part Reference=R2824
  R2825: ASSY_OPT=DNP, Part Reference=R2825
  R2826: ASSY_OPT=DNP, Part Reference=R2826
  R2827: ASSY_OPT=DNP, Part Reference=R2827
  R2828: ASSY_OPT=DNP, Part Reference=R2828
  R2829: ASSY_OPT=DNP, Part Reference=R2829
  R2830: Part Reference=R2830
  R2832: Part Reference=R2832
  R2833: ASSY_OPT=DNP, Part Reference=R2833
  R2834: Part Reference=R2834
  R2835: ASSY_OPT=DNP, Part Reference=R2835
  R2836: Part Reference=R2836
  R2837: ASSY_OPT=DNP, Part Reference=R2837
  R2838: Part Reference=R2838
  R2839: ASSY_OPT=DNP, Part Reference=R2839
  R2841: Part Reference=R2841
  R2851: ASSY_OPT=DNP, Part Reference=R2851
  R2853: ASSY_OPT=DNP, Part Reference=R2853
  R2854: Part Reference=R2854
  R2855: Part Reference=R2855
  R2860: ASSY_OPT=DNP, Part Reference=R2860
  R2866: ASSY_OPT=DNP, Part Reference=R2866
  R2867: ASSY_OPT=DNP, Part Reference=R2867
  R2870: Part Reference=R2870
  R2871: Part Reference=R2871
  R2924: Part Reference=R2924
  R2925: Part Reference=R2925
  R2988: Part Reference=R2988
  R2990: Part Reference=R2990
  R2992: Part Reference=R2992
  R2993: Part Reference=R2993
  R2998: Part Reference=R2998
  R2999: Part Reference=R2999
  R3000: Part Reference=R3000
  R3001: Part Reference=R3001
  R3017: Part Reference=R3017
  R3018: Part Reference=R3018
  R3028: Part Reference=R3028
  R3037: ASSY_OPT=DNP, Part Reference=R3037
  R3038: Part Reference=R3038
R301 R304 R406 R412 R806: library part RES, "0201,0Ohm,+/-5%", CAD_APPROVED=Yes, CLASS=DISCRETE, FPLIST=RC0201,0201_CC,RC0201_X2, Height="0.30 MM", MFG_NAME01=FENGHUA, MFG_PN01=RC-01000JT, PCB Footprint=R0201, RoHS=Yes
  R301: Part Reference=R301
  R304: Part Reference=R304
  R406: Part Reference=R406
  R412: Part Reference=R412
  R806: ASSY_OPT=DNP, Part Reference=R806
R302 R303 R305: library part RES, "0201,200Ohm,+/-1%", Temp Range="-55¡ãC ~ 125¡ãC", Tolerance=1%, Voltage=25V, CAD_APPROVED=Yes, CLASS=DISCRETE, FPLIST=RC0201,0201_CC, Height=0.26MM, MFG_NAME01=FENGHUA, MFG_PN01=RC-01W2000FT, PCB Footprint=R0201, RoHS=Yes, Temp_Range="-55¡ãC ~ 125¡ãC"
  R302: Part Reference=R302
  R303: Part Reference=R303
  R305: Part Reference=R305
R312: library part RES, "0402,4.7K,+/-1%", Temp Range="-55C to +155C", Tolerance=5%, Voltage=50V, CAD_APPROVED=Yes, CLASS=DISCRETE, FPLIST=RC0402_25,RC0402_HD,0402_CC,RC0402_X2, Height=0.41mm, MFG_NAME01=FENGHUA, MFG_PN01=RC-02K4701FT, Part Reference=R312, PCB Footprint=R0402, RoHS=Yes, Temp_Range="-55C to +155C"
R401 R404 R405 R415 R416 R417 R418: library part RES, "0402,100K,+/-1%", Temp Range="-55C to +155C", Tolerance=5%, Voltage=50V, CAD_APPROVED=Yes, CLASS=DISCRETE, FPLIST=RC0402_25,RC0402_HD,0402_CC, Height="0.40 MM", MFG_NAME01=FENGHUA, MFG_PN01=RC-02K1003FT, PCB Footprint=R0402, RoHS=Yes
  R401: ASSY_OPT=DNP, Part Reference=R401
  R404: Part Reference=R404
  R405: Part Reference=R405
  R415: Part Reference=R415
  R416: Part Reference=R416
  R417: Part Reference=R417
  R418: Part Reference=R418
R411 R803: library part RES, "0201,0Ohm,+/-5%", Tolerance=5%, CAD_APPROVED=Yes, CLASS=DISCRETE, MFG_NAME01=FENGHUA, MFG_PN01=RC-01000JT, PCB Footprint=R0201, RoHS=Yes
  R411: ASSY_OPT=DNP, FPLIST=RC0201,0201_CC,RC0201_X2, Height="0.30 MM", Part Reference=R411
  R803: FPLIST=RC0402_25,RC0402_HD,0402_CC, Height="0.4 MM", Part Reference=R803
R413: library part RES, "0402,4.7M,+/-5%", Temp Range="-55¡ãC ~ 155¡ãC", Tolerance=1%, Voltage=50V, ASSY_OPT=DNP, CAD_APPROVED=Yes, CLASS=DISCRETE, FPLIST=RC0402_25,RC0402_HD,0402_CC, Height="0.40 MM", MFG_NAME01=FENGHUA, MFG_PN01=RC-02U475JT, Part Reference=R413, PCB Footprint=R0402, RoHS=Yes
R414: library part RES, "0402,510K,+/-5%", Tolerance=5%, ASSY_OPT=DNP, CAD_APPROVED=Yes, CLASS=DISCRETE, FPLIST=RC0402_25,RC0402_HD,0402_CC, Height="0.4 MM", MFG_NAME01=FENGHUA, MFG_PN01=RC-02K514JT, Part Reference=R414, PCB Footprint=R0402, RoHS=Yes
R605 R812: library part RES, "0402,1K,+/-1%", Tolerance=1%, Voltage=1/16W, CAD_APPROVED=Yes, CLASS=DISCRETE, FPLIST=RC0402_25,RC0402_HD,RC0402_X2,0402_CC, Height=0.4MM, MFG_NAME01=FENGHUA, MFG_PN01=RC-02K1001FT, PCB Footprint=R0402, RoHS=Yes
  R605: Part Reference=R605
  R812: ASSY_OPT=DNP, Part Reference=R812
R703 R705 R2592 R2593 R2594 R2633 R2634 R2635 R2637 R2639 R2786: library part RES, "0201,100K,+/-1%", Temp Range="-55C to +155C", Tolerance=5%, Voltage=50V, CAD_APPROVED=Yes, CLASS=DISCRETE, FPLIST=RC0402_25,RC0402_HD,0402_CC, Height="0.40 MM", MFG_NAME01=FENGHUA, MFG_PN01=RC-01W1003FT, PCB Footprint=R0201, RoHS=Yes
  R703: ASSY_OPT=DNP, Part Reference=R703
  R705: Part Reference=R705
  R2592: Part Reference=R2592
  R2593: Part Reference=R2593
  R2594: Part Reference=R2594
  R2633: ASSY_OPT=DNP, Part Reference=R2633, Temp_Range="-55C to +155C"
  R2634: Part Reference=R2634, Temp_Range="-55C to +155C"
  R2635: Part Reference=R2635, Temp_Range="-55C to +155C"
  R2637: Part Reference=R2637, Temp_Range="-55C to +155C"